# Altium PCB Adafruit-MLX90632-FIR-Remote-Temperature-Sensor.pcbdoc
Units mil, origin at the board's own origin, x right, y up, seen from the top; angles counter-clockwise.
Board outline 1000 x 700 mil, 2 copper layers (Top, Bottom); 40 components, 10 nets, 66 pads, 22 vias.
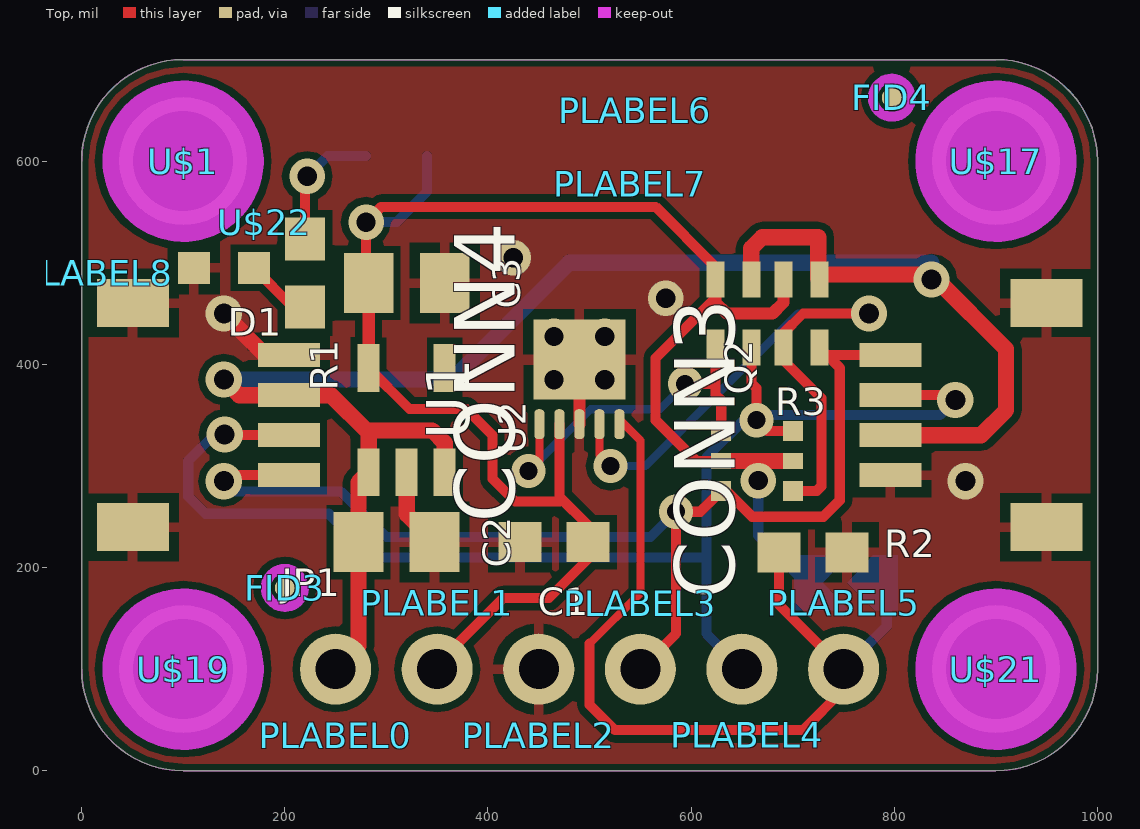
[diagram p0: Top view]
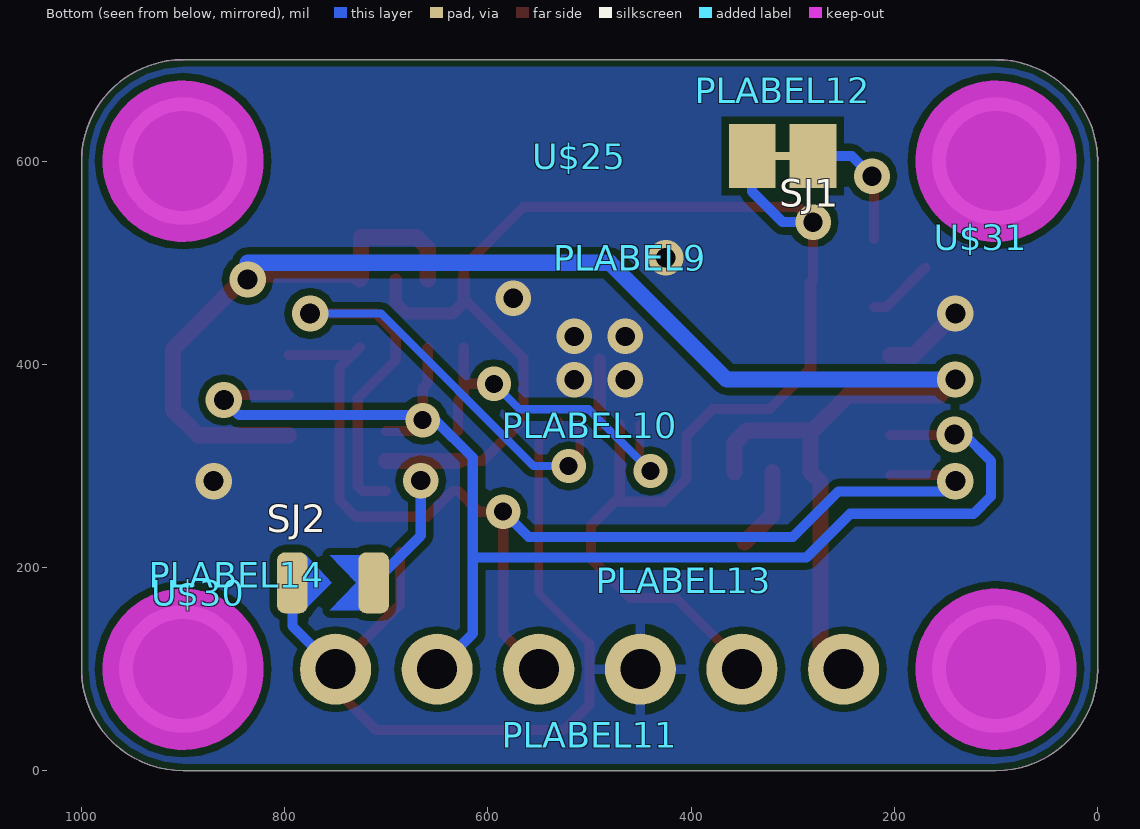
[diagram p1: Bottom view, seen from below]

## Layer stack, top to bottom
Top Solder: solder mask 0.4, Solder Resist, Dk 3.5
Top: signal copper 1.378
Dielectric 1: dielectric 12.6, FR-4, Dk 4.8
Bottom: signal copper 1.378
Bottom Solder: solder mask 0.4, Solder Resist, Dk 3.5

## Board outline
0,600 0,100 ccw(c100,100) 100,0 900,0 ccw(c900,100) 1000,100 1000,600 ccw(c900,600) 900,700 100,700 ccw(c100,600)

## Design rules (kind name [scope] priority, off if disabled: settings)
Clearance "Clearance (Same Net)" [All] p1: gap=7 ignorepadtopadclearanceinfootprint=FALSE
Clearance [All] p2: gap=7 ignorepadtopadclearanceinfootprint=FALSE
HoleSize HoleSize_For_NetClass_lowpower [InNetClass('lowpower')] p1: absolutevalues=TRUE maxlimit=19 minlimit=19 maxpercent=80.000 minpercent=20.000
HoleSize HoleSize_For_NetClass_highpower [InNetClass('highpower')] p2: absolutevalues=TRUE maxlimit=19 minlimit=19 maxpercent=80.000 minpercent=20.000
HoleSize [All] p3: absolutevalues=TRUE maxlimit=100000 minlimit=15.5 maxpercent=80.000 minpercent=20.000
HoleToHoleClearance mdDrill [All] p1: gap=8 allowstackedmicrovias=TRUE
PasteMaskExpansion Expansion_SMDPaste_OFF [InPadClass('SMDPaste_OFF')] p1: expansion=0
PasteMaskExpansion mlMinCreamFrame [All] p2: expansion=0
PolygonConnect ThermalVias [IsVia] p1: connectstyle=Direct reliefconductorwidth=10 reliefentries=4 polygonreliefangle="90 Angle" airgapwidth=10
PolygonConnect [All] p2: connectstyle=Relief reliefconductorwidth=10 reliefentries=4 polygonreliefangle="90 Angle" airgapwidth=10
RoutingVias [All] p1: holewidth=15.5 width=31.5 viastyle="Through Hole" minholewidth=15.5 minwidth=31.5 maxholewidth=100 maxwidth=100
SolderMaskExpansion Expansion_SMDSolder_OFF [InPadClass('SMDSolder_OFF')] p1: expansion=0
SolderMaskExpansion mlMinStopFrame [All] p2: expansion=2
Width Width_For_NetClass_lowpower [InNetClass('lowpower')] p1: maxlimit=10 minlimit=10 preferedwidth=10
Width Width_For_NetClass_highpower [InNetClass('highpower')] p2: maxlimit=24 minlimit=10 preferedwidth=12
Width [All] p3: maxlimit=10000 minlimit=7 preferedwidth=7
27 further rules are at their usual default settings.

## Classes and differential pairs
pad class SMDSolder_OFF: SJ1-1 SJ1-2 SJ1-WIRE SJ2-1 SJ2-2
pad class SMDPaste_OFF: FID3-1 FID4-1 SJ1-1 SJ1-2 SJ1-WIRE SJ2-1 SJ2-2 U1-6
net class lowpower: 3.3V N$2
net class highpower: GND VCC

## Components (designator, comment, footprint, x,y, rotation, side; value= is the part's Value field where it differs from the comment)
C1 "0.1uF" 0603-NO 465,225 r180 top
C2 "10uF" 0805-NO 310,225 r0 top
C3 "10uF" 0805-NO 320,480 r0 top
CONN3 "" JST_SH4 875,350 r90 top
CONN4 "" JST_SH4 125,350 r270 top
D1 "GREEN" CHIPLED_0603_NOOUTLINE 140,495 r90 top
FID3 "" FIDUCIAL_0.5MM 200,180 r0 top
FID4 "" FIDUCIAL_0.5MM 797.5,662.5 r0 top
JP1 "" 1X06_ROUND_70 500,100 r0 top
PLABEL0 "" PLABEL0 250,35 r0 top
PLABEL1 "" PLABEL1 350,165 r0 top
PLABEL2 "" PLABEL2 450,35 r0 top
PLABEL3 "" PLABEL3 550,165 r0 top
PLABEL4 "" PLABEL4 655,35 r0 top
PLABEL5 "" PLABEL5 750,165 r0 top
PLABEL6 "" PLABEL6 545,650 r0 top
PLABEL7 "" PLABEL7 540,577.5 r0 top
PLABEL8 "" PLABEL8 15,490 r0 top
PLABEL9 "" PLABEL9 460,505 r180 bottom
PLABEL10 "" PLABEL10 500,340 r180 bottom
PLABEL11 "" PLABEL11 500,35 r180 bottom
PLABEL12 "" PLABEL12 310,670 r180 bottom
PLABEL13 "" PLABEL13 407.5,187.5 r180 bottom
PLABEL14 "" PLABEL14 847.5,192.5 r270 bottom
Q2 "BSS138" SOT363 665,305 r90 top
R1 "10K" 0603-NO 220,490 r270 top
R2 "10K" 0603-NO 720,215 r0 top
R3 "10K Pack" RESPACK_4X0603 675,450 r180 top
SJ1 "" SOLDERJUMPER_CLOSEDWIRE 310,605 r0 bottom
SJ2 "" SOLDERJUMPER_ARROW_NOPASTE 752.5,185 r180 bottom
U1 "MLX90632" MLX90632 490,395 r90 top
U2 "AP2127K-3.3" SOT23-5 320,345 r0 top
U$1 "" MOUNTINGHOLE_2.5_PLATED 100,600 r0 top
U$17 "" MOUNTINGHOLE_2.5_PLATED 900,600 r0 top
U$19 "" MOUNTINGHOLE_2.5_PLATED 100,100 r0 top
U$21 "" MOUNTINGHOLE_2.5_PLATED 900,100 r0 top
U$22 "" ADAFRUIT_3.5MM 180,540 r0 top
U$25 "" PCBFEAT-REV-040 510,605 r180 bottom
U$30 "" STEMMAQT 885,175 r270 bottom
U$31 "" STEMMAQT 115,525 r90 bottom

## Footprints (in the part's own frame and the unit in brackets; to place one, negate y for a bottom-side part, rotate by r counter-clockwise, add the part's x,y. Pads: shape width x height; smd on the part's side, far side on the other; paste and mask are expansions set on the pad)
1X06_ROUND_70 [mil] "1X06_ROUND_70"
  round 70 / inner round 60 / far side round 70 hole 39.37: 1(-250,0) 2(-150,0) 3(-50,0) 4(50,0) 5(150,0) 6(250,0)
0603-NO [mm] "0603-NO"
  rect 1.075x1 smd: 1(-0.85,0) 2(0.85,0)
0805-NO [mil] "0805-NO"
  rect 48.82x59.06 smd: 1(-37.4,0) 2(37.4,0)
ADAFRUIT_3.5MM [mil] "ADAFRUIT_3.5MM"
CHIPLED_0603_NOOUTLINE [mil] "CHIPLED_0603_NOOUTLINE"
  rect 31.5x31.5 smd: A(0,-29.53) C(0,29.53)
FIDUCIAL_0.5MM [mil] "FIDUCIAL_0.5MM"
  rrect100% 19.69x19.69 smd paste+0: 1(0,0)
  Top keep-out lines w9.84: -18.7,0 ccw(c0,0) 0,-18.7 ccw(c0.49,-0.49) 18.7,-0.98 ccw(c-0.49,-0.49) 0,18.7 ccw(c0,0) -18.7,0
JST_SH4 [mil] "JST_SH4"
  rect 23.62x61.02 smd: 1(-59.06,78.98) 2(-19.69,78.98) 3(19.69,78.98) 4(59.06,78.98)
  rect 47.24x70.87 smd: MT1(-110.24,-74.57) MT2(110.24,-74.57)
MLX90632 [mm] "MLX90632"
  rrect80% 0.75x0.25 smd: 1(-1.37,1) 2(-1.37,0.5) 3(-1.37,0) 4(-1.37,-0.5) 5(-1.37,-1)
  rect 2x2.3 smd paste+0: 6(0.25,0)
MOUNTINGHOLE_2.5_PLATED [mil] "MOUNTINGHOLE_2.5_PLATED"
  round 125.98 / inner round 60 / far side round 125.98 hole 98.43: P$1(0,0)
  Top keep-out circle w80: c0,0 r39.37
  Bottom keep-out circle w80: c0,0 r39.37
PCBFEAT-REV-040 [mil] "PCBFEAT-REV-040"
PLABEL0 [mil] "PLABEL0"
PLABEL1 [mil] "PLABEL1"
PLABEL2 [mil] "PLABEL2"
PLABEL3 [mil] "PLABEL3"
PLABEL4 [mil] "PLABEL4"
PLABEL5 [mil] "PLABEL5"
PLABEL6 [mil] "PLABEL6"
PLABEL7 [mil] "PLABEL7"
PLABEL8 [mil] "PLABEL8"
PLABEL9 [mil] "PLABEL9"
PLABEL10 [mil] "PLABEL10"
PLABEL11 [mil] "PLABEL11"
PLABEL12 [mil] "PLABEL12"
PLABEL13 [mil] "PLABEL13"
PLABEL14 [mil] "PLABEL14"
RESPACK_4X0603 [mil] "RESPACK_4X0603"
  rect 17.72x35.43 smd: 1(-51.18,-33.46) 2(-15.75,-33.46) 3(15.75,-33.46) 4(51.18,-33.46) 5(51.18,33.46) 6(15.75,33.46) 7(-15.75,33.46) 8(-51.18,33.46)
SOLDERJUMPER_ARROW_NOPASTE [mil] "SOLDERJUMPER_ARROW_NOPASTE"
  rrect50% 30x60 smd paste+0 mask+0: 1(-40,0) 2(40,0)
  Top region: -3.03,27.03 23,0 -3.03,-27.03 50.91,-27.03 50.91,27.03
  Top region: -50.91,27.03 -26.44,27.03 -1.37,0 -28.41,-27.03 -50.91,-27.03
SOLDERJUMPER_CLOSEDWIRE [mil] "SOLDERJUMPER_CLOSEDWIRE"
  rect 46x63 smd paste+0 mask+0: 1(-30,0) 2(30,0)
  rect 25x8 smd paste+0 mask+0: WIRE(0,0)
SOT23-5 [mil] "SOT23-5"
  rect 21.65x47.24 smd: 1(-37.4,-51.19) 2(0,-51.19) 3(37.4,-51.19) 4(37.4,51.19) 5(-37.4,51.19)
SOT363 [mil] "SOT363"
  rect 19.69x19.69 smd: 1(-29.53,-35.43) 3(29.53,-35.43) 4(29.53,35.43) 6(-29.53,35.43)
  rect 15.75x19.69 smd: 2(0,-35.43) 5(0,35.43)
STEMMAQT [mil] "STEMMAQT"

## Part data
C1 R1 R2: library part 0603-NO, PackageName=0603-NO
C2 C3: library part 0805-NO, PackageName=0805-NO
CONN3 CONN4: library part JST_SH4, PackageName=JST_SH4
D1: library part CHIPLED_0603_NOOUTLINE, PackageName=CHIPLED_0603_NOOUTLINE
FID3 FID4: library part FIDUCIAL_0.5MM, PackageName=FIDUCIAL_0.5MM
JP1: library part 1X06_ROUND_70, PackageName=1X06_ROUND_70
PLABEL0: library part PLABEL0, PackageName=PLABEL0
PLABEL1: library part PLABEL1, PackageName=PLABEL1
PLABEL2: library part PLABEL2, PackageName=PLABEL2
PLABEL3: library part PLABEL3, PackageName=PLABEL3
PLABEL4: library part PLABEL4, PackageName=PLABEL4
PLABEL5: library part PLABEL5, PackageName=PLABEL5
PLABEL6: library part PLABEL6, PackageName=PLABEL6
PLABEL7: library part PLABEL7, PackageName=PLABEL7
PLABEL8: library part PLABEL8, PackageName=PLABEL8
PLABEL9: library part PLABEL9, PackageName=PLABEL9
PLABEL10: library part PLABEL10, PackageName=PLABEL10
PLABEL11: library part PLABEL11, PackageName=PLABEL11
PLABEL12: library part PLABEL12, PackageName=PLABEL12
PLABEL13: library part PLABEL13, PackageName=PLABEL13
PLABEL14: library part PLABEL14, PackageName=PLABEL14
Q2: library part SOT363, PackageName=SOT363
R3: library part RESPACK_4X0603, PackageName=RESPACK_4X0603
SJ1: library part SOLDERJUMPER_CLOSEDWIRE, PackageName=SOLDERJUMPER_CLOSEDWIRE
SJ2: library part SOLDERJUMPER_ARROW_NOPASTE, PackageName=SOLDERJUMPER_ARROW_NOPASTE
U2: library part SOT23-5, PackageName=SOT23-5
U$1 U$17 U$19 U$21: library part MOUNTINGHOLE_2.5_PLATED, PackageName=MOUNTINGHOLE_2.5_PLATED
U$22: library part ADAFRUIT_3.5MM, PackageName=ADAFRUIT_3.5MM
U$25: library part PCBFEAT-REV-040, PackageName=PCBFEAT-REV-040
U$30 U$31: library part STEMMAQT, PackageName=STEMMAQT
U1: PackageName=MLX90632

## Via types
v1: diameter 35/35 (per signal layer), hole 19, Top to Bottom, 9 vias
v2: diameter 35.69/35.69 (per signal layer), hole 19.69, Top to Bottom, 8 vias
v3: diameter 33.72/33.72 (per signal layer), hole 17.72, Top to Bottom, 5 vias

## Nets (pads, with @x,y where several pads share a name; then routed paths per layer and width w, separated by ;. In a path a pad name is that pad's centre, name@x,y a point inside that pad or via, vN(x,y) a via of type N, cw(c..) or ccw(c..) an arc to the next point about the centre after c; other vN are vias at no path point)
3.3V: C1.1 C3.1 JP1.2 Q2.2 Q2.5 R3.2 R3.4 SJ1.2 SJ2.2 U1.2 U2.5 | length 1808.9
  Top w10: U2.5 322.78,356 378.7,356 404.5,330.2 404.5,287.37 426.87,265 470.32,265 470.32,269.69 ; C3.1 280,482.6 v1(280,540) 295,555 565,555 623.82,496.18 R3.4 ; JP1.2 350,105 415,170 460,170 498.46,208.46 C1.1 498.46,241.54 470.32,269.69 ; U1.2 470.32,269.69 ; 623.82,465 565,406.18 565,345 605,305 Q2.5 ; 665,305 665,286.72 v1(666.09,285.63)
  Top w12: U2.5 C3.1 ; R3.4 623.82,465 623.82,461.18 635,450 680,450 690.75,460.75 R3.2
  Top w16: Q2.5 665,305 Q2.2
  Bottom w10: v1(280,540) 310,540 340,570 SJ1.2 ; v1(666.09,285.63) 666.09,231.41 SJ2.2
ADDR: JP1.6 R2.1 SJ2.1 U1.5 | length 853
  Top w8: 500,125 550,175 550,325 530.39,344.61 U1.5
  Top w10: 500,125 500,65 525,40 710,40 750,80 JP1.6 686.54,163.46 R2.1
  Bottom w10: JP1.6 792.5,142.5 SJ2.1
GND: C1.2 C2.2 C3.2 CONN3.1 CONN3.MT1 CONN3.MT2 CONN4.1 CONN4.MT1 CONN4.MT2 D1.C JP1.3 R2.2 U1.3 U1.6 U2.2 | length 224.9
  Top w12: U1.3 U1.6
  Top w16: v2(140,450) 180.94,409.06 CONN4.1 ; U2.2 320,252.4 C2.2
  other v1: 465,385 515,385 465,427.5 515,427.5 575,465 425,505
  other v2: 870,285
N$1: D1.A R1.2 | length 66.4
  Top w10: D1.A 207.99,456.54 R1.2
N$2: R1.1 SJ1.1 SJ1.WIRE | length 128.7
  Top w10: R1.1 220,583 v1(222,585)
  Bottom w10: v1(222,585) 242,605 SJ1.1
SCL: CONN3.4 CONN4.4 JP1.4 Q2.6 R3.8 | length 1132.6
  Top w10: v2(140,285) 145.94,290.94 CONN4.4 ; JP1.4 585,135 v3(585,255) 609.09,255 Q2.6 634.53,275.47 660,250 730,250 746.18,266.18 746.18,396.54 R3.8 733.66,409.06 CONN3.4
  Bottom w10: v2(140,285) 150,275 255,275 300,230 560,230 v3(585,255)
SCL_3V: Q2.1 R3.7 U1.4 | length 650.3
  Top w8: U1.4 509.69,310.82 v3(520.5,300)
  Top w10: Q2.1 723.65,275.47 728.18,280 728.18,366.82 690.75,404.25 R3.7 690.75,430.75 710,450 v2(775,450)
  Bottom w8: v3(520.5,300) 555,300 705,450 v2(775,450)
SDA: CONN3.3 CONN4.3 JP1.5 Q2.3 R3.6 | length 1351.4
  Top w10: v2(140.89,330.89) 140.89,330.32 CONN4.3 ; R3.6 659.25,381.54 664.25,376.54 v3(664.25,345) 674.72,334.53 Q2.3 ; CONN3.3 855.32,369.69 v2(860,365)
  Bottom w10: v2(140.89,330.89) 130.89,330.89 105,305 105,270 122,253 243.38,253 286.38,210 615,210 ; JP1.5 615,135 615,210 ; v2(860,365) 845,350 669.25,350 v3(664.25,345) 651.75,345 615,308.25 615,210
SDA_3V: Q2.4 R3.5 U1.1 | length 354.6
  Top w8: v3(440,295) 450.63,305.63 U1.1
  Top w10: v3(594.14,380.86) 622.96,380.86 623.82,380 ; R3.5 623.82,380 ; Q2.4 629.57,364.53 623.82,370.28 623.82,380
  Bottom w8: v3(440,295) 500.86,355.86 569.14,355.86 v3(594.14,380.86)
VCC: C2.1 CONN3.2 CONN4.2 JP1.1 R3.1 R3.3 U2.1 U2.3 | length 1824.4
  Top w16: v2(140,385) 155.32,369.69 CONN4.2 245.51,369.69 282.6,332.6 ; JP1.1 272.6,122.6 C2.1 272.6,283.82 U2.1 282.6,332.6 ; U2.3 357.4,322.6 345,335 285,335 282.6,332.6 ; R3.3 659.25,514.25 670,525 725,525 725,484.65 R3.1 731.18,488.46 831.54,488.46 v2(836.54,483.46) 841.54,483.46 910,415 910,355 885.32,330.32 CONN3.2
  Bottom w16: v2(140,385) 365,385 480,500 836.54,500 v2(836.54,483.46)
pads on no net: FID3.1 FID4.1 U2.4 U$1.P$1 U$17.P$1 U$19.P$1 U$21.P$1

## Polygon pours and split planes (outlines as drawn)
GND on Top "Polygon_1_Net_GND" (solid, remove dead copper, pour order 1): -5,705 1005,705 1005,-5 -5,-5
GND on Bottom "Polygon_2_Net_GND" (solid, remove dead copper, pour order 0): -5,705 1005,705 1005,-5 -5,-5

## Keep-outs
Keep-Out Layer:
  the board outline again, w0

## Silkscreen, mask and mechanical layers (free items; w line width, h text height)
Dimension:
  the board outline again, w0
Bottom Assembly:
Pinguin_tBackup:
  text "MLX90632" at 359.88,627.37 h89.9
  text "FIR Temp Sensor" at 297.43,561.89 h62
  text "on" at 15,490 h62
  text "3Vo" at 305.31,149.39 h62
  text "SCL" at 504.77,149.39 h62
  text "ADDR" at 684.91,149.39 h62
  text "VIN" at 202.16,19.39 h62
  text "GND" at 403.59,19.39 h62
  text "SDA" at 608.56,19.39 h62
Pinguin_bBackup:
  text "LED" at 356.38,654.39 h62
  text "MLX90632" at 667.37,474.65 h100.75
  text "Non-Contact Infrared" at 908.87,395.5 h77.5
  text "Temperature Sensor" at 864.74,320.5 h77.5
  text "Medical Accuracy" at 826.81,245.5 h77.5
  text "Def. I2C Addr 0x3A" at 735.53,169.39 h62
  text "A0" at 829.59,163.11 h62 r270
  text "VLogic/Vcc: 3-5VDC" at 793.37,23.86 h62

## Dimensions
52.5,600 to 147.5,597.5 on Courtyard Bottom
520,0 to 485,700 on Courtyard Bottom
1000,360 to 0,245 on Courtyard Bottom
900,100 to 100,100 on Courtyard Bottom
500,100 to 500,600 on Courtyard Bottom